# Allegro board 1156197-TDI_VU3P_QSFP28_CXP_V001_1023A-166-20241121_1644_PCB.brd (continued)
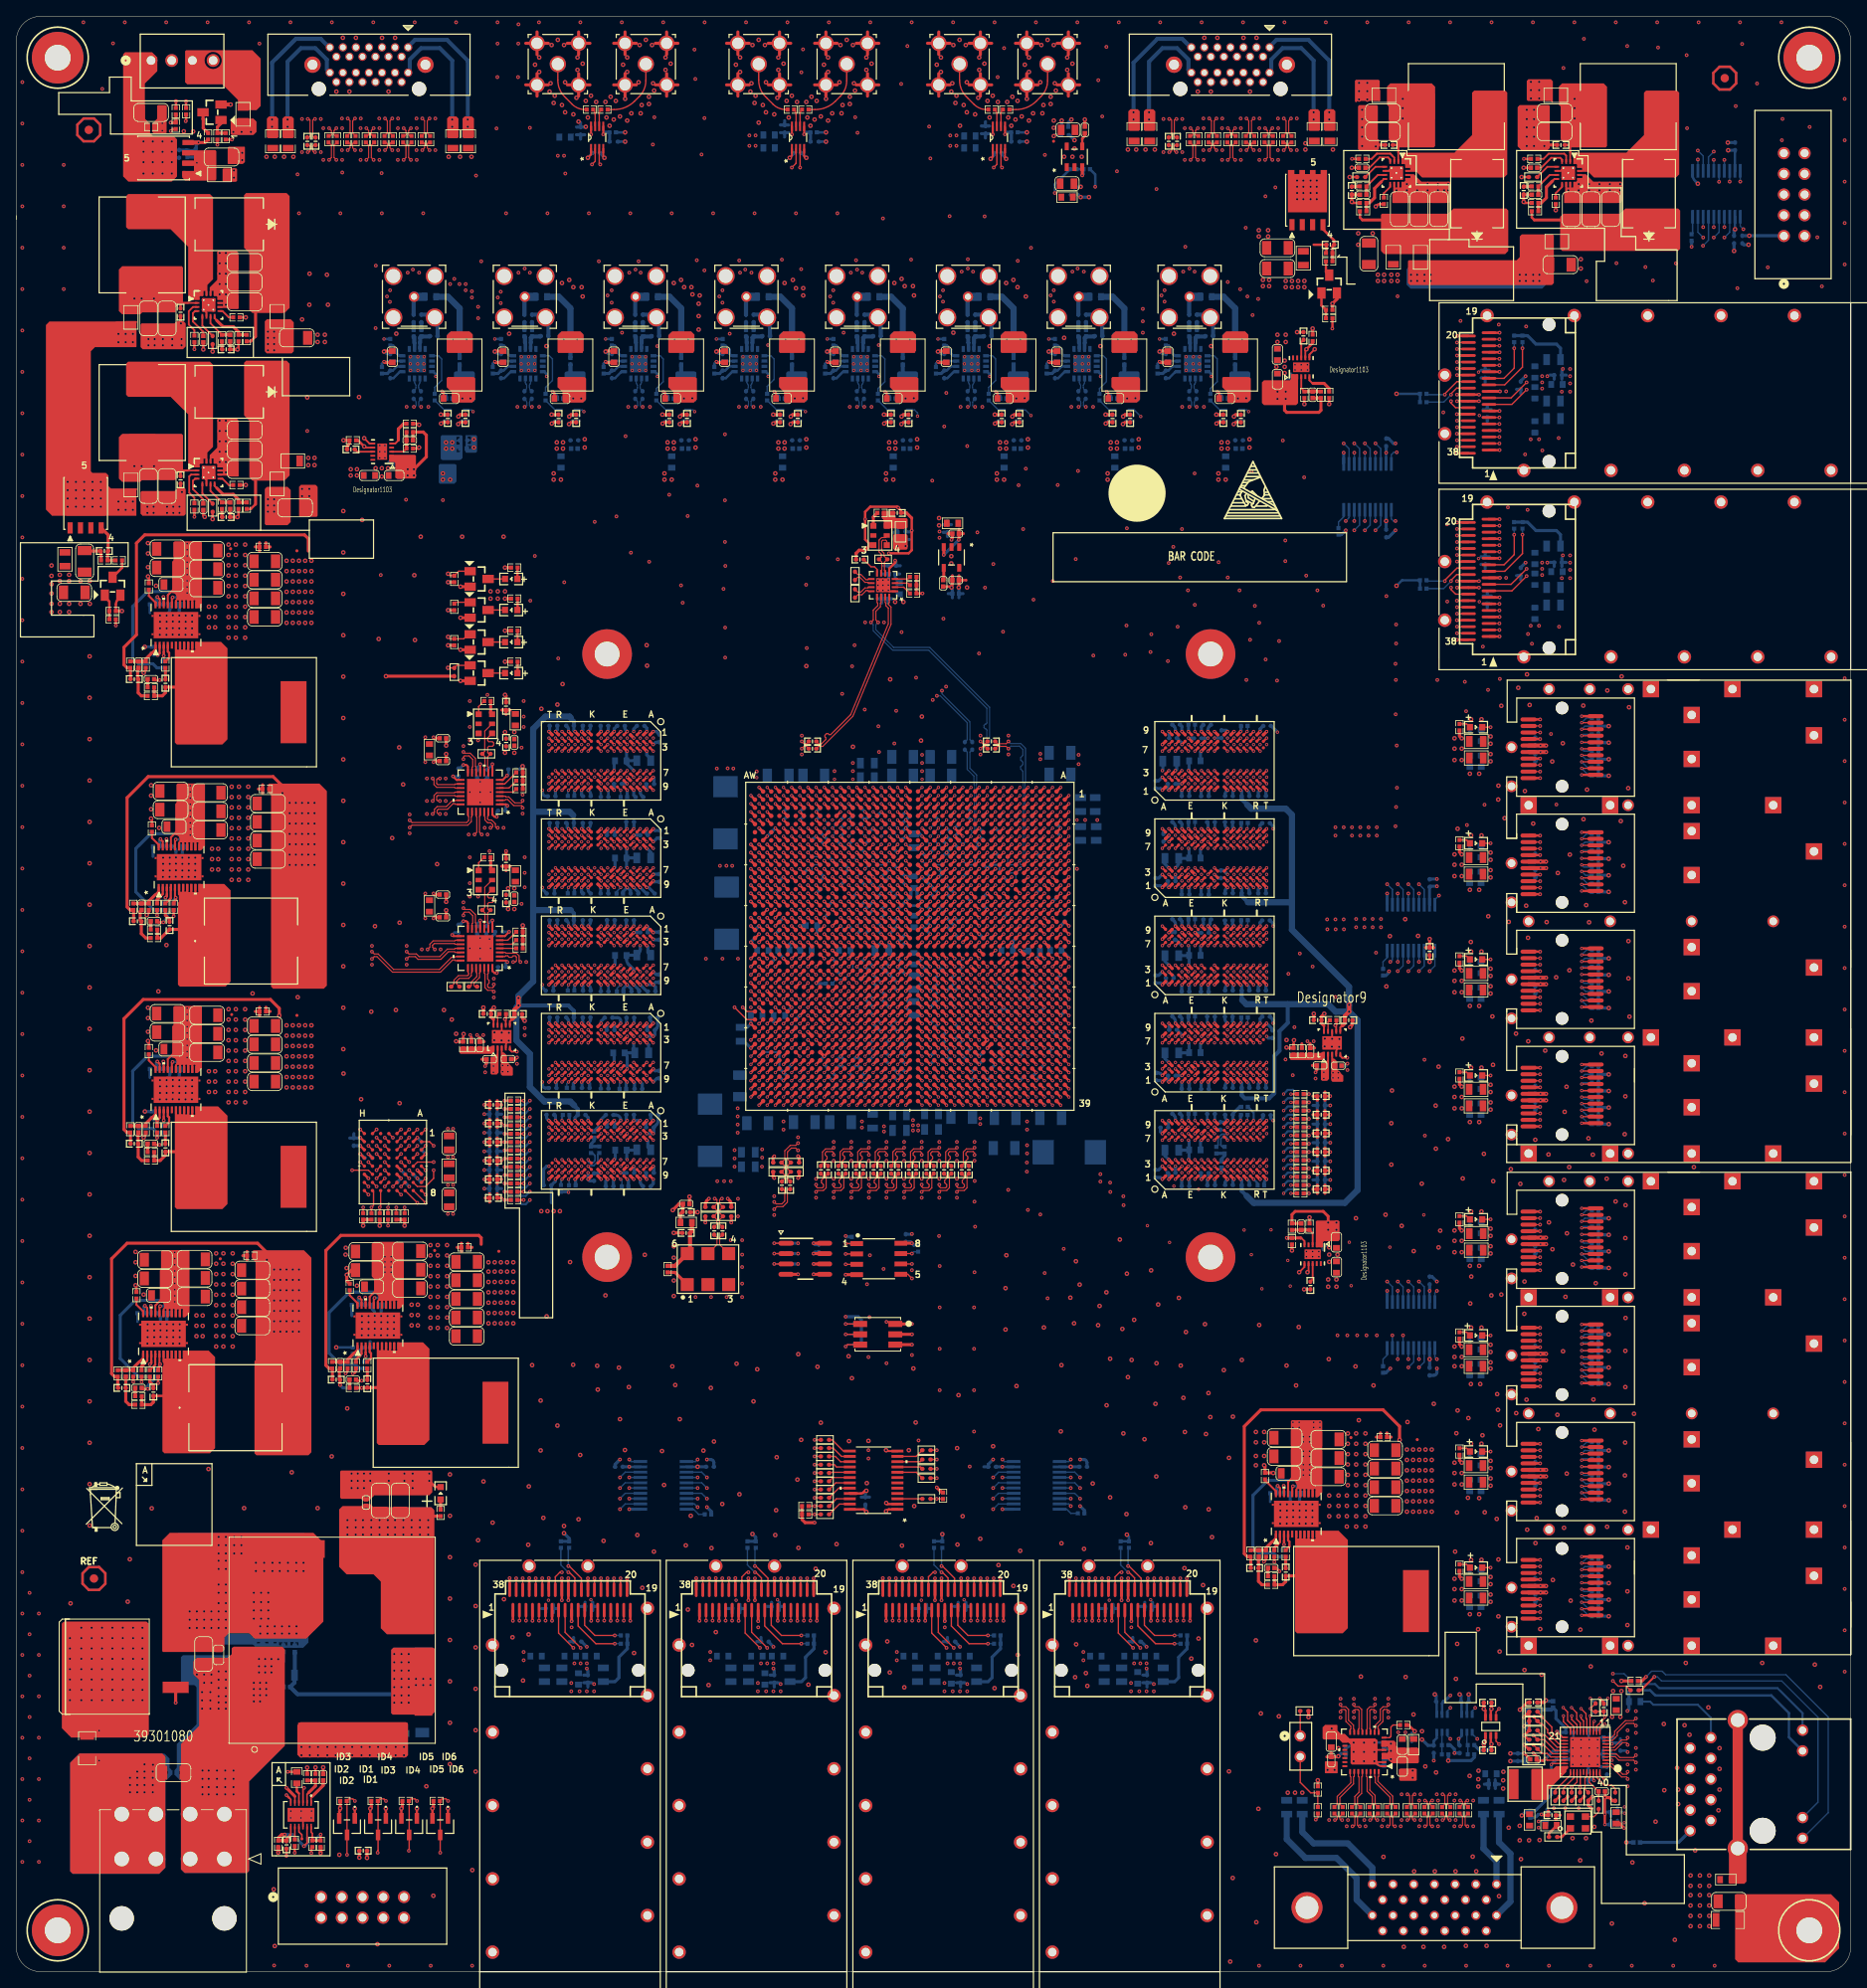
[diagram p0: board, top side]
## Routing (per net, layer and track width the routed paths; a pad name or vN(x,y) marks a point on that pad's centre or on a via; arc(x,y) is an arc through that point) (continued)
TO_CAMERA2_RSV_LVDS1_N: length 144.7
  TOP w0.14: U1.AT26 93.1,120.36 v1(93.1,120.36) ; R539.1 50.54,224.52 50.41,224.38 50.41,223.85 v1(50.69,223.57)
  ART14 w0.102: v1(93.1,120.36) 93.4,120.36 93.5,120.26 93.5,119.98 93.73,119.76 95.35,119.76 95.7,120.11 95.7,124.71 95.75,124.76 95.75,124.79
  ART14 w0.114: v1(50.69,223.57) 50.52,223.41 50.52,222.96 50.78,222.71 51.46,222.71 53.22,220.94 53.38,220.94 53.65,221.21 54.07,221.21 54.74,220.55 54.74,220.13 54.47,219.86 54.47,219.7 54.95,219.22 55.11,219.22 55.38,219.49 55.8,219.49 56.46,218.82 56.46,218.4 56.19,218.13 56.19,217.97 56.68,217.49 56.84,217.49 57.23,217.87 57.64,217.87 58.31,217.21 58.31,216.79 57.92,216.41 57.92,216.24 60.17,214 77.39,214 84.84,206.56 84.84,193.68 85.34,193.17 85.34,130.28 89.54,126.08 89.75,126.08 89.94,125.88 92.94,125.88 93.32,125.5 95.4,125.5 95.75,125.15 95.75,124.79
TO_CAMERA2_RSV_LVDS1_P: length 144.1
  TOP w0.14: v1(49.8,223.57) 50.08,223.85 50.08,224.38 49.94,224.52 R538.1 ; U1.AT25 94.1,120.36 v1(94.1,120.36)
  ART14 w0.102: 95.45,124.79 95.45,124.76 95.5,124.71 95.5,120.19 95.27,119.96 95.25,119.96 93.81,119.96 93.7,120.07 93.7,120.26 93.8,120.36 v1(94.1,120.36)
  ART14 w0.114: 95.45,124.79 95.45,125.02 95.27,125.19 93.2,125.19 92.81,125.58 89.81,125.58 89.62,125.77 89.42,125.77 85.04,130.15 85.04,193.04 84.53,193.55 84.53,206.43 77.27,213.69 60.04,213.69 57.62,216.12 57.62,216.53 58,216.92 58,217.08 57.51,217.56 57.35,217.56 56.97,217.18 56.55,217.18 55.89,217.85 55.89,218.26 56.16,218.53 56.16,218.69 55.67,219.18 55.51,219.18 55.24,218.91 54.82,218.91 54.16,219.57 54.16,219.99 54.43,220.26 54.43,220.42 53.94,220.91 53.78,220.91 53.51,220.64 53.1,220.64 51.33,222.4 50.65,222.4 50.21,222.84 50.21,223.15 v1(49.8,223.57)
TO_CAMERA2_RSV_LVDS2_N: length 140.2
  TOP w0.14: U1.AR24 v1(94.1,121.36) ; v1(45.22,223.57) 45.51,223.85 45.51,224.38 45.37,224.52 R543.1
  ART14 w0.102: v1(94.1,121.36) 94.4,121.36 94.5,121.46 94.5,121.6 94.35,121.75 94.27,121.75 93.77,121.75 93.5,122.02 93.5,122.52 93.27,122.76 91.8,122.76 91.5,123.05 91.5,123.55 91.3,123.76 89.59,123.76 89.53,123.7
  ART14 w0.114: v1(45.22,223.57) 45.52,223.28 45.52,221.11 45.91,220.71 45.91,220.55 45.39,220.02 45.39,219.61 46.06,218.94 46.47,218.94 47,219.46 47.16,219.46 51.14,215.48 51.14,215.32 50.33,214.5 50.33,214.08 51,213.42 51.41,213.42 52.23,214.23 52.39,214.23 55.98,210.64 66.67,210.64 70.13,207.19 70.13,194.36 70.74,193.75 70.74,183.31 82.9,171.14 82.9,126.82 86.2,123.52 88.76,123.52 89.18,123.7 89.53,123.7
TO_CAMERA2_RSV_LVDS2_P: length 140
  TOP w0.14: R542.1 45.97,224.52 45.83,224.38 45.83,223.85 v1(46.11,223.57) ; U1.AP24 v1(95.1,121.36)
  ART14 w0.102: 89.53,124.01 89.58,123.96 91.38,123.96 91.7,123.64 91.7,123.14 91.88,122.96 93.35,122.96 93.7,122.61 93.7,122.11 93.85,121.96 94.35,121.96 94.43,121.96 94.7,121.69 94.7,121.46 94.8,121.36 v1(95.1,121.36)
  ART14 w0.114: 89.53,124.01 89.12,124.01 88.7,123.83 86.33,123.83 83.21,126.95 83.21,171.27 71.05,183.44 71.05,193.88 70.43,194.49 70.43,207.31 66.8,210.95 56.11,210.95 52.52,214.54 52.1,214.54 51.28,213.73 51.12,213.73 50.64,214.21 50.64,214.37 51.45,215.19 51.45,215.6 47.28,219.77 46.87,219.77 46.35,219.25 46.18,219.25 45.7,219.73 45.7,219.9 46.22,220.42 46.22,220.83 45.82,221.23 45.82,223.28 v1(46.11,223.57)
TO_CAMERA_CLK_N: length 163.5
  TOP w0.14: U1.AM25 v1(97.1,120.36) ; C880.2 142.16,224.19 142.02,224.05 142.02,223.47 142.16,223.33 v1(142.3,223.33)
  ART14 w0.102: v1(97.1,120.36) 97.4,120.36 97.5,120.26 97.5,120.07 97.39,119.96 96.94,119.96 96.94,119.96 96.7,120.2 96.7,126.61 96.36,126.96 90.8,126.96 90.51,127.24 90.51,127.32
  ART14 w0.114: v1(142.3,223.33) 141.96,222.99 141.96,222.17 141.77,221.98 141.77,221.71 141.53,221.46 141.25,221.46 140.84,221.05 140.5,221.05 140.31,220.86 139.96,220.86 139.77,221.05 139.43,221.05 139.24,220.86 138.89,220.86 138.7,221.05 138.24,221.05 138.04,220.86 137.7,220.86 137.51,221.05 137.16,221.05 136.97,220.86 136.63,220.86 136.43,221.05 135.71,221.05 135.41,221.35 135.41,223.1 135.3,223.21 134.61,223.21 134.5,223.1 134.5,221.35 134.21,221.05 133.27,221.05 132.97,221.35 132.97,223.1 132.86,223.21 132.17,223.21 132.06,223.1 132.06,221.35 131.76,221.05 128.22,221.05 125.3,218.13 105.61,218.13 97.51,210.03 97.51,194.72 98.04,194.18 98.04,185.11 88.76,175.83 88.76,128.71 89.94,127.54 90.3,127.54 90.51,127.32
TO_CAMERA_CLK_P: length 163.4
  TOP w0.14: U1.AL25 v1(98.1,120.36) ; v1(141.41,223.33) 141.56,223.33 141.7,223.47 141.7,224.05 141.56,224.19 C879.2
  ART14 w0.102: v1(98.1,120.36) 97.8,120.36 97.7,120.26 97.7,119.98 97.48,119.76 96.86,119.76 96.85,119.76 96.5,120.11 96.5,126.53 96.27,126.76 90.71,126.76 90.37,127.1 90.3,127.1
  ART14 w0.114: 90.3,127.1 90.17,127.23 89.81,127.23 88.45,128.59 88.45,175.96 97.74,185.24 97.74,194.06 97.2,194.59 97.2,210.16 105.48,218.44 125.17,218.44 128.09,221.36 131.63,221.36 131.75,221.48 131.75,223.23 132.04,223.52 132.98,223.52 133.28,223.23 133.28,221.48 133.39,221.36 134.08,221.36 134.19,221.48 134.19,223.23 134.49,223.52 135.43,223.52 135.72,223.23 135.72,221.48 135.84,221.36 140.72,221.36 141.65,222.3 141.65,223.09 v1(141.41,223.33)
TO_CAMERA_LVDS0_N: length 154.5
  TOP w0.14: U1.AL23 99.1,122.36 v1(99.1,122.36) ; v1(148.6,222.38) 148.88,222.66 148.88,224.17 R518.1
  ART14 w0.102: 91.44,145.85 91.5,145.78 91.5,131.11 91.85,130.76 99.27,130.76 99.5,130.52 99.5,122.46 99.4,122.36 v1(99.1,122.36)
  ART14 w0.114: 91.44,145.85 91.44,173.1 104.09,185.75 104.09,186.76 106.68,189.36 111.05,189.36 112.01,190.32 112.01,209.42 116.2,213.61 118.67,213.61 118.96,213.32 118.96,212.31 119.08,212.19 119.76,212.19 119.88,212.31 119.88,213.32 120.68,214.12 135,214.12 137.41,216.53 143.96,216.53 148.89,221.46 148.89,222.09 v1(148.6,222.38)
TO_CAMERA_LVDS0_P: length 154.5
  TOP w0.14: R521.1 149.21,224.17 149.21,222.66 v1(149.49,222.38) ; U1.AK23 100.1,122.36 v1(100.1,122.36)
  ART14 w0.102: 91.74,145.85 91.7,145.8 91.7,131.19 91.94,130.96 99.35,130.96 99.7,130.61 99.7,122.46 99.8,122.36 v1(100.1,122.36)
  ART14 w0.114: v1(149.49,222.38) 149.2,222.09 149.2,221.34 144.09,216.23 137.54,216.23 135.13,213.81 120.81,213.81 120.18,213.19 120.18,212.18 119.89,211.89 118.95,211.89 118.65,212.18 118.65,213.19 118.54,213.31 116.33,213.31 112.32,209.29 112.32,190.2 111.18,189.05 106.81,189.05 104.39,186.64 104.39,185.62 91.74,172.97 91.74,145.85
TO_CAMERA_LVDS1_N: length 152.9
  TOP w0.14: U1.AL26 v1(98.1,119.36) ; v1(146.32,223.57) 146.6,223.85 146.6,224.38 146.46,224.52 R525.1
  ART14 w0.102: v1(98.1,119.36) 98.4,119.36 98.5,119.46 98.5,127.52 97.5,128.52 97.5,129.52 97.27,129.76 91.63,129.76 90.5,130.89 90.5,145.85 90.14,146.2 90.14,147.53 90.44,147.82 90.44,147.99 90.4,148.03
  ART14 w0.114: v1(146.32,223.57) 146.61,223.28 146.61,221.46 144.57,219.42 141.27,218.06 135.38,218.06 132.72,215.39 120.52,215.39 120.02,214.88 116.07,214.88 111.05,209.86 111.05,192.63 110.44,192.03 105.92,192.03 104.26,190.36 102.64,186.46 90.4,174.22 90.4,148.03
TO_CAMERA_LVDS1_P: length 152.9
  TOP w0.14: U1.AK26 v1(99.1,119.36) ; v1(147.21,223.57) 146.93,223.85 146.93,224.38 147.06,224.52 R524.1
  ART14 w0.102: 90.7,148.03 90.64,147.97 90.64,147.74 90.35,147.45 90.35,146.29 90.7,145.93 90.7,130.97 91.72,129.96 97.35,129.96 97.7,129.61 97.7,128.61 98.7,127.61 98.7,119.46 98.8,119.36 v1(99.1,119.36)
  ART14 w0.114: 90.7,148.03 90.7,174.09 102.9,186.29 104.52,190.19 106.05,191.72 110.57,191.72 111.35,192.51 111.35,209.73 116.2,214.58 120.14,214.58 120.65,215.08 132.84,215.08 135.51,217.75 141.33,217.75 144.74,219.16 146.91,221.34 146.91,223.28 v1(147.21,223.57)
TO_CAMERA_LVDS2_N: length 157.8
  TOP w0.14: R529.1 144.31,224.17 144.31,222.66 v1(144.03,222.38) ; v1(97.1,122.36) 97.1,122.36 U1.AM24
  ART14 w0.102: v1(97.1,122.36) 97.4,122.36 97.5,122.46 97.5,127.61 96.36,128.76 90.77,128.76 90.5,129.02 90.5,129.69 90.23,129.96 90.16,129.96
  ART14 w0.114: v1(144.03,222.38) 144.32,222.09 144.32,221.41 142.62,219.71 135,219.71 132.08,216.79 113.48,216.79 113.18,216.48 113.18,215.23 113.06,215.12 112.61,215.12 112.49,215.23 112.49,216.04 112.2,216.33 111.49,216.33 111.19,216.04 111.19,215.23 111.08,215.12 110.62,215.12 110.51,215.23 110.51,216.04 110.21,216.33 105.16,216.33 98.37,209.55 98.37,195.2 99.13,194.44 99.13,184.73 89.39,174.99 89.39,130.72 90.16,129.96
TO_CAMERA_LVDS2_P: length 157.7
  TOP w0.14: v1(144.92,222.38) 144.64,222.66 144.64,224.17 R528.1 ; v1(98.1,122.36) 98.1,122.36 U1.AM23
  ART14 w0.102: v1(98.1,122.36) 97.8,122.36 97.7,122.46 97.7,127.7 96.44,128.96 90.85,128.96 90.7,129.11 90.7,129.77 90.37,130.1 90.37,130.18
  ART14 w0.114: 90.37,130.18 89.7,130.85 89.7,174.86 99.44,184.6 99.44,194.56 98.68,195.33 98.68,209.42 105.28,216.03 110.08,216.03 110.2,215.91 110.2,215.1 110.49,214.81 111.21,214.81 111.5,215.1 111.5,215.91 111.61,216.03 112.07,216.03 112.19,215.91 112.19,215.1 112.48,214.81 113.19,214.81 113.49,215.1 113.49,216.36 113.61,216.48 132.21,216.48 135.13,219.4 142.75,219.4 144.63,221.28 144.63,222.09 v1(144.92,222.38)
TO_CAMERA_RSV_LVDS0_N: length 156.7
  TOP w0.14: U1.AH26 v1(102.1,120.36) ; v1(156.35,223.57) 156.07,223.85 156.07,224.38 156.21,224.52 R533.2
  ART14 w0.102: 94.74,145.85 94.7,145.81 94.7,137.15 94.89,136.96 95.35,136.96 95.7,136.61 95.7,136.19 95.94,135.96 96.35,135.96 96.7,135.61 96.7,134.19 96.94,133.96 101.35,133.96 101.7,133.61 101.7,133.19 101.94,132.96 103.35,132.96 103.7,132.61 103.7,121.11 103.35,120.76 102.2,120.76 102.1,120.65 v1(102.1,120.36)
  ART14 w0.114: 94.74,145.85 94.74,169.93 105.28,180.47 114.05,180.47 119.2,185.62 127.3,185.62 133.35,191.67 138.43,191.67 139.32,192.55 139.32,208.97 141.42,211.07 142.62,211.07 142.74,210.96 142.74,210.2 143.03,209.91 143.97,209.91 144.27,210.2 144.27,210.96 144.38,211.07 145.21,211.07 156.08,221.94 156.08,223.3 v1(156.35,223.57)
TO_CAMERA_RSV_LVDS0_P: length 156.3
  TOP w0.14: v1(155.46,223.57) 155.74,223.85 155.74,224.38 155.6,224.52 R532.2 ; U1.AG25 102.1,121.36 v1(102.1,121.36)
  ART14 w0.102: v1(102.1,121.36) 102.1,121.06 102.2,120.96 103.27,120.96 103.5,121.19 103.5,132.52 103.27,132.76 101.85,132.76 101.5,133.11 101.5,133.52 101.27,133.76 96.85,133.76 96.5,134.11 96.5,135.52 96.27,135.76 95.85,135.76 95.5,136.11 95.5,136.52 95.27,136.76 94.81,136.76 94.5,137.06 94.5,145.78 94.43,145.85
  ART14 w0.114: 94.43,145.85 94.43,170.05 105.16,180.77 113.92,180.77 119.07,185.93 127.17,185.93 133.22,191.98 138.31,191.98 139.01,192.68 139.01,209.09 141.3,211.38 142.75,211.38 143.04,211.08 143.04,210.33 143.16,210.21 143.84,210.21 143.96,210.33 143.96,211.08 144.25,211.38 145.08,211.38 155.7,222 155.7,223.33 v1(155.46,223.57)
TO_CAMERA_RSV_LVDS1_N: length 154.9
  TOP w0.14: R537.2 151.64,224.52 151.5,224.38 151.5,223.85 v1(151.78,223.57) ; U1.AJ27 v1(101.1,119.36)
  ART14 w0.102: 92.76,145.9 92.7,145.84 92.7,135.19 92.93,134.96 93.35,134.96 93.7,134.61 93.7,134.19 93.94,133.96 94.35,133.96 94.7,133.61 94.7,132.04 94.79,131.96 100.35,131.96 100.7,131.61 100.7,119.46 100.8,119.36 v1(101.1,119.36)
  ART14 w0.114: v1(151.78,223.57) 151.49,223.28 151.49,221.34 144.98,214.83 138.53,214.83 138.15,214.45 138.15,214.29 138.43,214.01 138.43,213.59 137.77,212.93 137.35,212.93 137.07,213.21 136.91,213.21 136.04,212.34 127.51,212.34 124.94,209.78 124.94,192.57 124.19,191.82 119.68,191.82 113.23,185.37 105.99,185.37 92.76,172.14 92.76,145.9
TO_CAMERA_RSV_LVDS1_P: length 154.9
  TOP w0.14: v1(150.89,223.57) 151.17,223.85 151.17,224.38 151.03,224.52 R536.2 ; U1.AJ26 v1(100.1,119.36)
  ART14 w0.102: 92.45,145.9 92.5,145.85 92.5,135.1 92.85,134.76 93.27,134.76 93.5,134.52 93.5,134.11 93.85,133.76 94.27,133.76 94.5,133.52 94.5,131.96 94.7,131.76 100.27,131.76 100.5,131.52 100.5,119.46 100.4,119.36 v1(100.1,119.36)
  ART14 w0.114: 92.45,145.9 92.45,172.26 105.86,185.67 113.1,185.67 119.55,192.13 124.06,192.13 124.64,192.7 124.64,209.9 127.38,212.65 135.91,212.65 136.78,213.52 137.2,213.52 137.48,213.23 137.64,213.23 138.13,213.72 138.13,213.88 137.84,214.16 137.84,214.58 138.4,215.14 144.85,215.14 151.18,221.46 151.18,223.28 v1(150.89,223.57)
TO_CAMERA_RSV_LVDS2_N: length 154.6
  TOP w0.14: U1.AH25 v1(101.1,120.36) ; R541.2 153.78,224.17 153.78,222.66 v1(154.06,222.38)
  ART14 w0.102: 93.75,145.8 93.7,145.75 93.7,136.13 93.88,135.96 94.45,135.96 94.7,135.71 94.7,135.19 94.94,134.96 95.45,134.96 95.7,134.71 95.7,133.19 95.94,132.96 100.53,132.96 101.53,131.96 102.35,131.96 102.7,131.61 102.7,125.82 101.7,124.82 101.7,121.03 101.43,120.76 101.2,120.76 101.1,120.65 v1(101.1,120.36)
  ART14 w0.114: 93.75,145.8 93.75,171.22 104.39,181.86 112.75,181.86 119.81,188.93 123.78,188.93 125.91,191.06 125.91,209.02 127.84,210.95 138.81,210.95 140.92,213.05 145.23,213.05 153.77,221.59 153.77,222.09 v1(154.06,222.38)
TO_CAMERA_RSV_LVDS2_P: length 154.3
  TOP w0.14: R540.2 153.46,224.17 153.46,222.66 v1(153.17,222.38) ; U1.AH24 v1(101.1,121.36)
  ART14 w0.102: 93.44,145.8 93.5,145.74 93.5,136.05 93.79,135.76 94.37,135.76 94.5,135.62 94.5,135.11 94.85,134.76 95.37,134.76 95.5,134.62 95.5,133.11 95.85,132.76 100.44,132.76 101.44,131.76 102.27,131.76 102.5,131.52 102.5,125.9 101.5,124.9 101.5,121.11 101.35,120.96 101.2,120.96 101.1,121.06 v1(101.1,121.36)
  ART14 w0.114: 93.44,145.8 93.44,171.35 104.27,182.17 112.63,182.17 119.69,189.23 123.65,189.23 125.6,191.19 125.6,209.14 127.71,211.25 138.68,211.25 140.79,213.36 145.11,213.36 153.47,221.72 153.47,222.09 v1(153.17,222.38)
TO_DATA_ACQ_1_CLK_N: length 144
  TOP w0.14: v1(92.96,93.58) 93.29,93.91 94.03,93.91 94.58,94.45 94.58,95.91 94.72,96.05 C39.1
  ART07 w0.114: v1(92.96,93.58) 93.25,93.88 94.03,93.88 94.23,93.67 94.23,84.84 95.89,83.19 108.4,83.19 126.77,64.82 126.77,57.38 130.23,53.92 133.25,53.92 136.95,50.22 136.95,43.72 142.62,38.05 142.62,33.55 163.27,12.9 176.96,12.9 177.49,12.37 177.49,10.36 176.38,9.25 176.17,9.25 175.74,9.68 175.74,9.99 J35.5
TO_DATA_ACQ_1_CLK_P: length 144
  TOP w0.14: v1(92.96,94.47) 93.2,94.23 93.9,94.23 94.25,94.58 94.25,95.87 94.07,96.05 C38.1
  ART07 w0.114: v1(92.96,94.47) 93.25,94.18 94.16,94.18 94.54,93.8 94.54,84.96 96.01,83.49 108.53,83.49 127.08,64.95 127.08,57.51 130.36,54.23 133.38,54.23 137.26,50.34 137.26,43.84 142.93,38.18 142.93,33.68 163.4,13.21 177.09,13.21 177.8,12.5 177.8,10.23 176.9,9.34 176.48,8.32 J35.18
VREG_1: length 19.1
  TOP w0.254: U44.18 19.08,111.56 v1(19.18,111.66)
  BOTTOM w0.305: C672.1 19.99,111.96 19.68,111.66 v1(19.18,111.66)
  BOTTOM w0.381: R356.1 17.26,103 16.76,103.5 14.99,103.5 14.27,104.22 14.27,110.54 16.1,112.37 19.78,112.37 C672.1
VREG_2: length 18.1
  TOP w0.254: v1(17.65,81.69) 17.56,81.59 U45.18
  BOTTOM w0.305: v1(17.65,81.69) 18.16,81.69 18.47,81.99 C687.1
  BOTTOM w0.381: C687.1 18.25,82.4 14.58,82.4 12.75,80.57 12.75,75.26 14.98,73.03 R367.1
VREG_3: length 19.1
  TOP w0.254: v1(156.59,59.59) 156.5,59.49 U46.18
  BOTTOM w0.305: C702.1 157.4,59.89 157.1,59.59 v1(156.59,59.59)
  BOTTOM w0.381: R383.1 154.67,50.93 154.17,51.44 152.4,51.44 151.69,52.15 151.69,58.47 153.52,60.3 157.19,60.3 C702.1
VREG_4: length 19.7
  TOP w0.254: v1(43.94,82.7) 43.85,82.61 U43.18
  BOTTOM w0.305: C655.1 44.75,83.01 44.45,82.7 v1(43.94,82.7)
  BOTTOM w0.381: C655.1 44.54,83.41 40.87,83.41 38.35,80.9 38.35,75.95 39.75,74.55 41.52,74.55 42.02,74.05 R344.1
VREG_5: length 18.1
  TOP w0.254: U47.18 19.46,138.87 v1(19.56,138.96)
  BOTTOM w0.305: v1(19.56,138.96) 20.07,138.96 20.37,139.27 C717.1
  BOTTOM w0.381: R394.1 16.89,130.31 14.66,132.54 14.66,137.85 16.48,139.67 20.16,139.67 C717.1
VREG_6: length 19.1
  TOP w0.254: U48.18 19.08,168.59 v1(19.18,168.68)
  BOTTOM w0.305: v1(19.18,168.68) 19.68,168.68 19.99,168.99 C732.1
  BOTTOM w0.381: R405.1 17.26,160.03 16.76,160.53 14.99,160.53 14.27,161.24 14.27,167.56 16.1,169.39 19.78,169.39 C732.1
N23163314: length 2.2
  BOTTOM w0.381: C329.1 70.87,101.96 70.48,101.57 R125.2 R126.2
N23165073: length 1.5
  TOP w0.17: R112.2 59.04,117.33 U12.9
N23171960: length 1.3
  TOP w0.17: U7.N9 v3(67.73,121.14)
  BOTTOM w0.17: v3(67.73,121.14) 67.65,121.05 R84.1
N23171980: length 1.6
  TOP w0.17: U7.F9 v3(74.13,121.14)
  BOTTOM w0.17: v3(74.13,121.14) 73.67,120.68 R85.2
N23176531: length 1.3
  TOP w0.17: U8.N9 v3(67.73,133.08)
  BOTTOM w0.17: v3(67.73,133.08) 67.65,132.99 R86.1
N23176551: length 1.5
  TOP w0.17: U8.F9 v3(74.13,133.08)
  BOTTOM w0.17: v3(74.13,133.08) 73.61,132.56 R87.2
N23180885: length 1.3
  TOP w0.17: U9.N9 v3(67.73,97.26)
  BOTTOM w0.17: R89.1 67.8,97.2 v3(67.73,97.26)
N23180905: length 1.5
  TOP w0.17: U9.F9 v3(74.13,97.26)
  BOTTOM w0.17: R91.2 74.27,97.12 v3(74.13,97.26)
N23181582: length 1.4
  TOP w0.17: U11.N9 v3(67.73,109.2)
  BOTTOM w0.17: v3(67.73,109.2) 67.52,108.99 R121.1
N23181602: length 1.5
  TOP w0.17: U11.F9 v3(74.13,109.2)
  BOTTOM w0.17: R123.2 74,109.07 v3(74.13,109.2)
N23186587: length 1.3
  TOP w0.17: U10.N9 v3(67.73,145.01)
  BOTTOM w0.17: v3(67.73,145.01) 67.65,144.93 R88.1
N23186607: length 1.4
  TOP w0.17: U10.F9 v3(74.13,145.01)
  BOTTOM w0.17: R90.2 74.12,145.01 v3(74.13,145.01)
N23240799: length 0.9
  BOTTOM w0.508: C548.2 48.74,202.44 R277.2
N23240813: length 2.2
  BOTTOM w0.508: J18.1 48.74,205.53 C548.1
N23241133: length 0.9
  BOTTOM w0.508: R278.2 49.68,202.44 C550.2
N23241235: length 2.7
  BOTTOM w0.432: 49.52,199.94 49.5,199.92 U26.3
  BOTTOM w0.508: C553.2 50.68,200.7 R278.1 49.52,200.55 49.52,199.94
N23241584: length 2.3
  BOTTOM w0.305: R274.1 46.22,199.59 46.71,199.09 46.71,198.58 46.96,198.33 U26.16
N23242165: length 2.9
  BOTTOM w0.305: C543.1 46.18,196.52 46.69,197.03 U26.14
  BOTTOM w0.381: L41.1 45.5,196.16 C543.1
N23244330: length 6
  BOTTOM w0.17: U26.5 51.79,198.33 52.18,197.95 52.18,195.3 51.33,194.46 R280.1
N23320159: length 2.1
  TOP w0.17: DS1.2 Q1.3
N23322808: length 3.7
  TOP w0.381: U1.W16 v1(111.1,130.36)
  BOTTOM w0.305: C2.1 C3.1 v1(111.1,130.36)
  BOTTOM w0.381: L1.2 110.35,129.61 v1(111.1,130.36)
N23413791: length 1.3
  TOP w0.17: U13.N9 v3(150.96,128.34)
  BOTTOM w0.17: R127.1 151.05,128.42 v3(150.96,128.34)
N23413831: length 1.4
  TOP w0.17: U13.F9 v3(144.57,128.34)
  BOTTOM w0.17: v3(144.57,128.34) 144.57,128.35 R128.2
N23414482: length 1.3
  TOP w0.17: U14.N9 v3(150.96,140.28)
  BOTTOM w0.17: R129.1 151.05,140.36 v3(150.96,140.28)
N23414502: length 1.4
  TOP w0.17: U14.F9 v3(144.57,140.28)
  BOTTOM w0.17: R130.2 144.57,140.28 v3(144.57,140.28)
N23419167: length 1.3
  TOP w0.17: U16.N9 v3(150.96,152.22)
  BOTTOM w0.17: v3(150.96,152.22) 151.02,152.28 R131.1
N23419176: length 1.4
  TOP w0.17: U16.F9 v3(144.57,152.22)
  BOTTOM w0.17: v3(144.57,152.22) 144.57,152.22 R133.2
N23419798: length 2.1
  BOTTOM w0.381: C423.1 147.83,99.77 148.21,100.15 R168.2 R169.2
N23421274: length 1.5
  TOP w0.17: U18.9 160.89,116.56 R154.2
N23421546: length 1.3
  TOP w0.17: U15.N9 v3(150.96,116.4)
  BOTTOM w0.17: R132.1 151.05,116.49 v3(150.96,116.4)
N23421558: length 1.4
  TOP w0.17: U15.F9 v3(144.57,116.4)
  BOTTOM w0.17: R134.2 144.57,116.41 v3(144.57,116.4)
N23421763: length 1.3
  TOP w0.17: U17.N9 v3(150.96,104.46)
  BOTTOM w0.17: R164.1 151.02,104.52 v3(150.96,104.46)
N23421783: length 1.4
  TOP w0.17: U17.F9 v3(144.57,104.46)
  BOTTOM w0.17: R166.2 144.57,104.47 v3(144.57,104.46)
N23809338: length 1.4
  TOP w0.152: U1.P18 v1(116.1,128.36)
  BOTTOM w0.17: U1.P18 v1(116.1,128.36)
N23917846: length 1.4
  TOP w0.152: U1.AF22 v1(103.1,123.36)
  BOTTOM w0.17: v1(103.1,123.36) 103.59,122.87 R37.1
N23968505: length 1.4
  TOP w0.152: U1.AF16 v1(103.1,130.36)
  BOTTOM w0.17: U1.AF16 v1(103.1,130.36)
N23971155: length 1.4
  TOP w0.152: U1.AF12 v1(103.1,134.36)
  BOTTOM w0.17: R60.1 103.6,134.86 v1(103.1,134.36)
N23983374: length 1.4
  TOP w0.152: v1(126.1,123.36) 126.1,123.36 U1.C22
  BOTTOM w0.17: U1.C22 v1(126.1,123.36)
N24010376: length 1.4
  TOP w0.254: U1.AJ18 101.1,128.36 v1(101.1,128.36)
  BOTTOM w0.17: R70.2 v1(101.1,128.36)
N24127214: length 3.7
  TOP w0.381: 44.68,71.69 C652.2 43.01,71.65 v1(42.37,71.65) R342.2
  BOTTOM w0.381: R342.2 v1(42.37,71.65)
N24127352: length 2.3
  TOP w0.254: R337.2 40.89,83.02 41.85,82.06 U43.22
N24127394: length 4.4
  TOP w0.279: U43.1 41.85,76.35 41.4,75.9
  TOP w0.381: 41.4,75.9 40.64,75.14 R335.2 C651.1 R336.2
N24127396: length 2.1
  TOP w0.254: v1(42.06,82.76) 42.35,82.47 U43.21
  BOTTOM w0.381: v1(42.06,82.76) 41.96,82.65 R338.2
N24127406: length 1.9
  TOP w0.254: U43.20 42.85,82.71 v1(42.81,82.76)
  BOTTOM w0.381: v1(42.81,82.76) 42.8,82.75 R339.1
N24127447: length 1.4
  TOP w0.381: C652.1 R340.2
N24533060: length 7.7
  BOTTOM w0.508: R272.1 54.38,199.13
  BOTTOM w0.762: 54.38,201.01 54.38,204.16 52.96,205.58 L44.2
  vias: v2(53.57,200.36) v2(55.22,200.36)
N25142150: length 1.4
  TOP w0.305: R7.2 61.49,159.41 DS1.1
N25143762: length 1.4
  TOP w0.152: U1.AU23 v1(92.1,122.36)
  BOTTOM w0.17: U1.AU23 v1(92.1,122.36)
N25440425: length 1.7
  BOTTOM w0.14: C549.1 48.89,194.13 arc(48.98,194.27) 49.01,194.44 49.01,194.69 arc(48.99,194.78) 48.94,194.86 48.92,194.88 arc(48.87,194.96) 48.85,195.05 U26.11
N25440426: length 1.7
  BOTTOM w0.14: U26.10 49.5,195.05 arc(49.48,194.96) 49.43,194.88 49.41,194.86 arc(49.36,194.78) 49.34,194.69 49.34,194.46 arc(49.38,194.29) 49.47,194.14 C551.1
N25442672: length 7.7
  BOTTOM w0.508: R271.1 67.96,199.13
  BOTTOM w0.762: L45.2 66.54,205.58 67.96,204.16 67.96,201.01
  vias: v2(67.16,200.36) v2(68.81,200.36)
N25442778: length 1.7
  BOTTOM w0.14: U27.11 62.44,195.05 arc(62.46,194.96) 62.51,194.88 62.53,194.86 arc(62.58,194.78) 62.6,194.69 62.6,194.44 arc(62.57,194.27) 62.47,194.13 C545.1
N25442780: length 1.7
  BOTTOM w0.14: U27.10 63.09,195.05 arc(63.07,194.96) 63.02,194.88 63,194.86 arc(62.95,194.78) 62.93,194.69 62.93,194.46 arc(62.96,194.29) 63.06,194.14 C547.1
N25442824: length 0.9
  BOTTOM w0.508: C544.2 62.33,202.44 R275.2
N25442826: length 2.2
  BOTTOM w0.508: J17.1 62.32,205.53 C544.1
N25442844: length 0.9
  BOTTOM w0.508: C546.2 63.27,202.44 R276.2
N25442850: length 2.7
  BOTTOM w0.432: U27.3 63.09,199.92 63.11,199.94
  BOTTOM w0.508: C552.2 64.27,200.7 R276.1 63.11,200.55 63.11,199.94
N25442864: length 2.3
  BOTTOM w0.305: R273.1 59.81,199.59 60.3,199.09 60.3,198.58 60.55,198.33 U27.16
N25442868: length 2.9
  BOTTOM w0.305: U27.14 60.28,197.03 59.77,196.52 C542.1
  BOTTOM w0.381: C542.1 59.09,196.16 L40.1
N25442963: length 6
  BOTTOM w0.17: R279.1 64.92,194.46 65.76,195.3 65.76,197.95 65.38,198.33 U27.5
N25446827: length 7.7
  BOTTOM w0.508: R282.1 81.55,199.13
  BOTTOM w0.762: 81.55,201.01 81.55,204.16 80.13,205.58 L51.2
  vias: v2(80.75,200.36) v2(82.4,200.36)
N25446933: length 1.7
  BOTTOM w0.14: U30.11 76.03,195.05 arc(76.05,194.96) 76.1,194.88 76.12,194.86 arc(76.17,194.78) 76.19,194.69 76.19,194.44 arc(76.16,194.27) 76.06,194.13 C573.1
N25446935: length 1.7
  BOTTOM w0.14: U30.10 76.68,195.05 arc(76.66,194.96) 76.61,194.88 76.59,194.86 arc(76.54,194.78) 76.52,194.69 76.52,194.46 arc(76.55,194.29) 76.65,194.14 C575.1
N25446979: length 0.9
  BOTTOM w0.508: R287.2 75.91,202.44 C572.2
N25446981: length 2.2
  BOTTOM w0.508: J20.1 75.91,205.53 C572.1
N25446999: length 0.9
  BOTTOM w0.508: C574.2 76.85,202.44 R288.2
N25447005: length 2.7
  BOTTOM w0.432: U30.3 76.68,199.92 76.7,199.94
  BOTTOM w0.508: 76.7,199.94 76.7,200.55 R288.1 77.86,200.7 C577.2
N25447019: length 2.3
  BOTTOM w0.305: R284.1 73.4,199.59 73.89,199.09 73.89,198.58 74.14,198.33 U30.16
N25447100: length 2.9
  BOTTOM w0.305: U30.14 73.87,197.03 73.36,196.52 C567.1
  BOTTOM w0.381: C567.1 72.68,196.16 L47.1
N25447139: length 7.7
  BOTTOM w0.508: R281.1 95.14,199.13
  BOTTOM w0.762: L50.2 93.72,205.58 95.14,204.16 95.14,201.01
  vias: v2(94.34,200.36) v2(95.99,200.36)
N25447233: length 1.7
  BOTTOM w0.14: U31.11 89.62,195.05 arc(89.64,194.96) 89.69,194.88 89.71,194.86 arc(89.76,194.78) 89.78,194.69 89.78,194.44 arc(89.75,194.27) 89.65,194.13 C569.1
N25447235: length 1.7
  BOTTOM w0.14: U31.10 90.27,195.05 arc(90.25,194.96) 90.2,194.88 90.18,194.86 arc(90.13,194.78) 90.11,194.69 90.11,194.46 arc(90.14,194.29) 90.24,194.14 C571.1
N25447291: length 0.9
  BOTTOM w0.508: C568.2 89.5,202.44 R285.2
N25447293: length 2.2
  BOTTOM w0.508: J19.1 89.5,205.53 C568.1
N25447311: length 0.9
  BOTTOM w0.508: C570.2 90.44,202.44 R286.2
N25447317: length 2.7
  BOTTOM w0.432: U31.3 90.27,199.92 90.29,199.94
  BOTTOM w0.508: C576.2 91.45,200.7 R286.1 90.29,200.55 90.29,199.94
N25447333: length 2.3
  BOTTOM w0.305: U31.16 87.73,198.33 87.48,198.58 87.48,199.09 86.99,199.59 R283.1
N25447337: length 2.9
  BOTTOM w0.305: U31.14 87.45,197.03 86.95,196.52 C566.1
  BOTTOM w0.381: C566.1 86.27,196.16 L46.1
N25447429: length 6
  BOTTOM w0.17: U31.5 92.56,198.33 92.94,197.95 92.94,195.43 92.09,194.58 R289.1
N25447534: length 6
  BOTTOM w0.17: U30.5 78.97,198.33 79.35,197.95 79.35,195.16 78.51,194.31 R290.1
N25659786: length 4.1
  TOP w0.229: U50.3 159,90.66 R416.1
  TOP w0.381: R413.2 C750.1 R416.1
N25659816: length 2.3
  TOP w0.229: C754.1 159,84.98 U50.8
N25661639: length 4
  TOP w0.229: R415.1 47.48,186.56 U49.3
  TOP w0.381: R411.2 C745.1 R415.1